# EAGLE board RedBoard-Panel (EAGLE 9.6.2), part 2 of 6
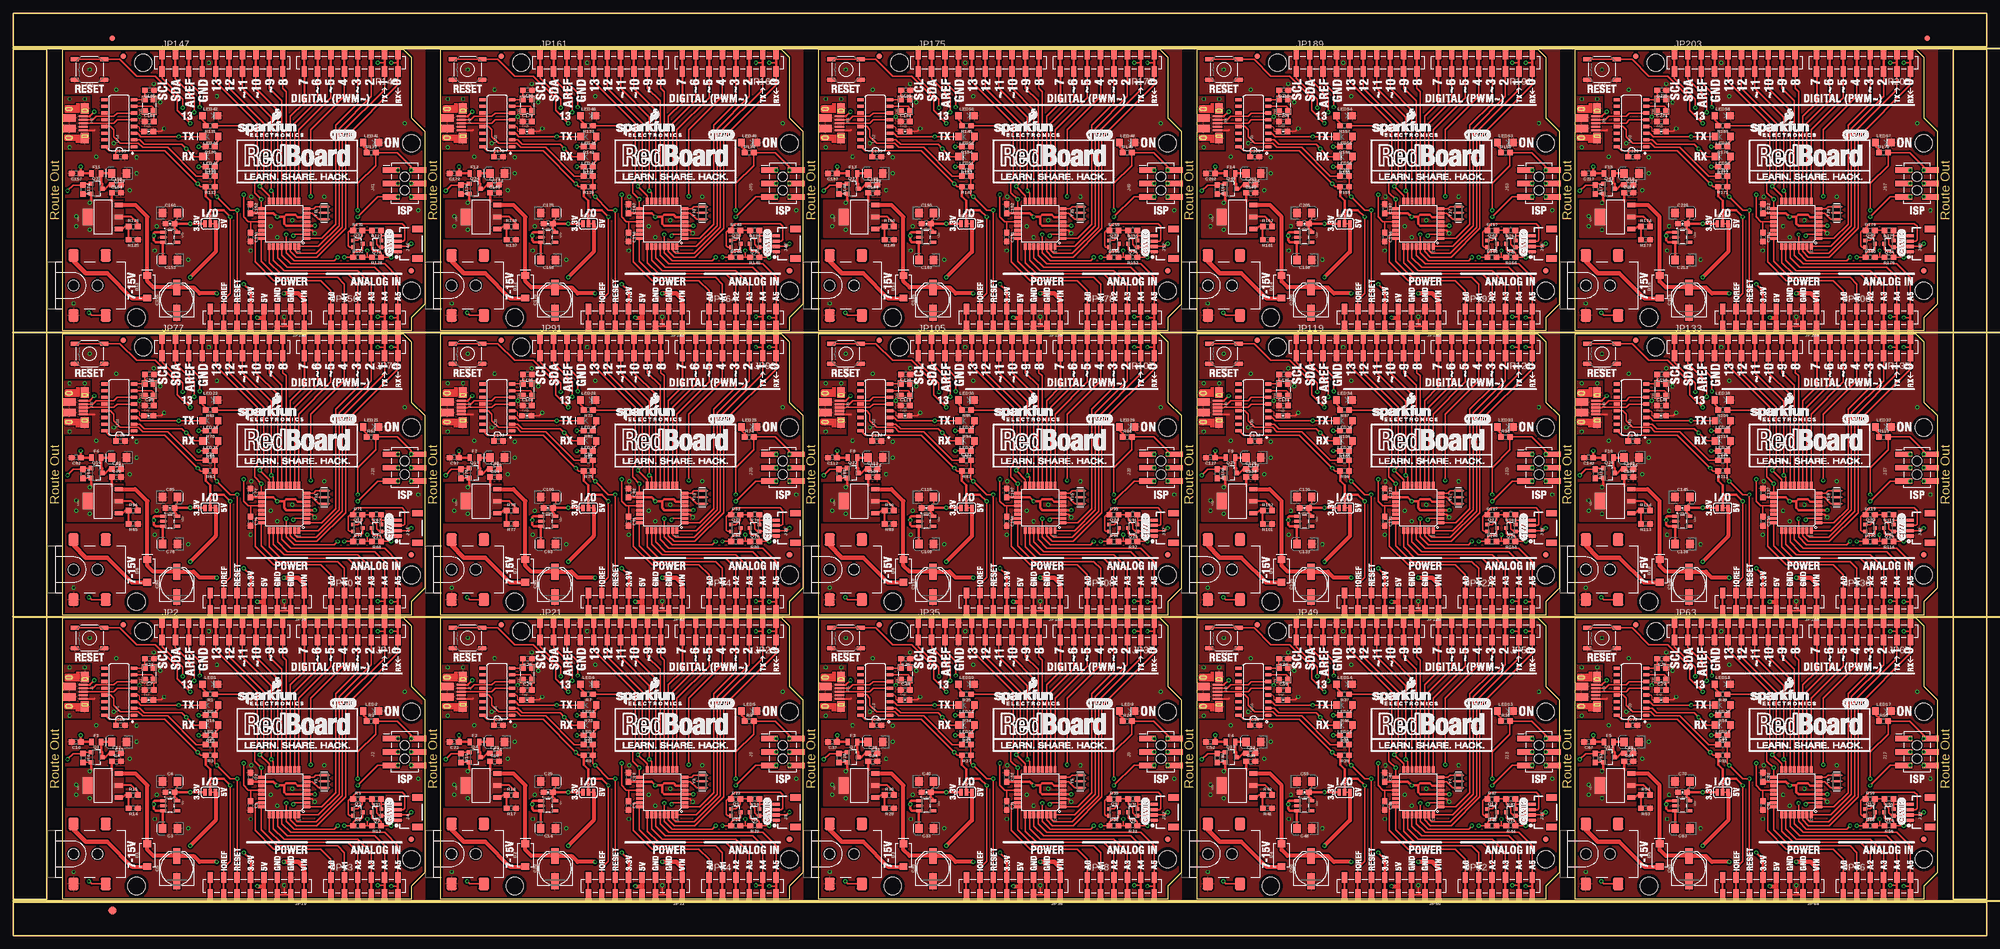
[diagram p0: board, top side]
## Placement (x,y rotation side) (continued)
R171  10k  [0603]  323.85,141.86 180 top
R172  10k  [0603]  299.72,141.35 270 top
R173  715  [0603]  309.25,131.83 180 top
R174  240  [0603]  309.25,134.37 0 top
R175  2.2k  [0603]  355.35,133.6 180 top
R176  2.2k  [0603]  355.35,128.52 180 top
R177  4.7k  [0603]  323.85,145.67 180 top
R178  4.7k  [0603]  323.85,149.48 180 top
R179  2.2k  [0603]  351.79,133.6 0 top
R180  2.2k  [0603]  351.79,128.52 0 top
S1  RESET  [TACTILE_SWITCH_SMD_5.2MM]  14.48,56.39 180 top
S2  RESET  [TACTILE_SWITCH_SMD_5.2MM]  86.11,56.39 180 top
S3  RESET  [TACTILE_SWITCH_SMD_5.2MM]  157.73,56.39 180 top
S4  RESET  [TACTILE_SWITCH_SMD_5.2MM]  229.36,56.39 180 top
S5  RESET  [TACTILE_SWITCH_SMD_5.2MM]  300.99,56.39 180 top
S6  RESET  [TACTILE_SWITCH_SMD_5.2MM]  14.48,110.24 180 top
S7  RESET  [TACTILE_SWITCH_SMD_5.2MM]  86.11,110.24 180 top
S8  RESET  [TACTILE_SWITCH_SMD_5.2MM]  157.73,110.24 180 top
S9  RESET  [TACTILE_SWITCH_SMD_5.2MM]  229.36,110.24 180 top
S10  RESET  [TACTILE_SWITCH_SMD_5.2MM]  300.99,110.24 180 top
S11  RESET  [TACTILE_SWITCH_SMD_5.2MM]  14.48,164.08 180 top
S12  RESET  [TACTILE_SWITCH_SMD_5.2MM]  86.11,164.08 180 top
S13  RESET  [TACTILE_SWITCH_SMD_5.2MM]  157.73,164.08 180 top
S14  RESET  [TACTILE_SWITCH_SMD_5.2MM]  229.36,164.08 180 top
S15  RESET  [TACTILE_SWITCH_SMD_5.2MM]  300.99,164.08 180 top
TP1  TP-3x5  [PAD.03X.05]  75.44,37.34 0 bottom
TP2  TP-3x5  [PAD.03X.05]  75.44,34.8 0 bottom
TP3  TP-3x5  [PAD.03X.05]  75.44,32.26 0 bottom
TP4  TP-3x5  [PAD.03X.05]  72.9,37.34 0 bottom
TP5  TP-3x5  [PAD.03X.05]  72.9,34.8 0 bottom
TP6  TP-3x5  [PAD.03X.05]  72.9,32.26 0 bottom
TP7  TP-3x5  [PAD.03X.05]  147.07,37.34 0 bottom
TP8  TP-3x5  [PAD.03X.05]  147.07,34.8 0 bottom
TP9  TP-3x5  [PAD.03X.05]  147.07,32.26 0 bottom
TP10  TP-3x5  [PAD.03X.05]  144.53,37.34 0 bottom
TP11  TP-3x5  [PAD.03X.05]  144.53,34.8 0 bottom
TP12  TP-3x5  [PAD.03X.05]  144.53,32.26 0 bottom
TP13  TP-3x5  [PAD.03X.05]  218.69,37.34 0 bottom
TP14  TP-3x5  [PAD.03X.05]  218.69,34.8 0 bottom
TP15  TP-3x5  [PAD.03X.05]  218.69,32.26 0 bottom
TP16  TP-3x5  [PAD.03X.05]  216.15,37.34 0 bottom
TP17  TP-3x5  [PAD.03X.05]  216.15,34.8 0 bottom
TP18  TP-3x5  [PAD.03X.05]  216.15,32.26 0 bottom
TP19  TP-3x5  [PAD.03X.05]  290.32,37.34 0 bottom
TP20  TP-3x5  [PAD.03X.05]  290.32,34.8 0 bottom
TP21  TP-3x5  [PAD.03X.05]  290.32,32.26 0 bottom
TP22  TP-3x5  [PAD.03X.05]  287.78,37.34 0 bottom
TP23  TP-3x5  [PAD.03X.05]  287.78,34.8 0 bottom
TP24  TP-3x5  [PAD.03X.05]  287.78,32.26 0 bottom
TP25  TP-3x5  [PAD.03X.05]  361.95,37.34 0 bottom
TP26  TP-3x5  [PAD.03X.05]  361.95,34.8 0 bottom
TP27  TP-3x5  [PAD.03X.05]  361.95,32.26 0 bottom
TP28  TP-3x5  [PAD.03X.05]  359.41,37.34 0 bottom
TP29  TP-3x5  [PAD.03X.05]  359.41,34.8 0 bottom
TP30  TP-3x5  [PAD.03X.05]  359.41,32.26 0 bottom
TP31  TP-3x5  [PAD.03X.05]  75.44,91.19 0 bottom
TP32  TP-3x5  [PAD.03X.05]  75.44,88.65 0 bottom
TP33  TP-3x5  [PAD.03X.05]  75.44,86.11 0 bottom
TP34  TP-3x5  [PAD.03X.05]  72.9,91.19 0 bottom
TP35  TP-3x5  [PAD.03X.05]  72.9,88.65 0 bottom
TP36  TP-3x5  [PAD.03X.05]  72.9,86.11 0 bottom
TP37  TP-3x5  [PAD.03X.05]  147.07,91.19 0 bottom
TP38  TP-3x5  [PAD.03X.05]  147.07,88.65 0 bottom
TP39  TP-3x5  [PAD.03X.05]  147.07,86.11 0 bottom
TP40  TP-3x5  [PAD.03X.05]  144.53,91.19 0 bottom
TP41  TP-3x5  [PAD.03X.05]  144.53,88.65 0 bottom
TP42  TP-3x5  [PAD.03X.05]  144.53,86.11 0 bottom
TP43  TP-3x5  [PAD.03X.05]  218.69,91.19 0 bottom
TP44  TP-3x5  [PAD.03X.05]  218.69,88.65 0 bottom
TP45  TP-3x5  [PAD.03X.05]  218.69,86.11 0 bottom
TP46  TP-3x5  [PAD.03X.05]  216.15,91.19 0 bottom
TP47  TP-3x5  [PAD.03X.05]  216.15,88.65 0 bottom
TP48  TP-3x5  [PAD.03X.05]  216.15,86.11 0 bottom
TP49  TP-3x5  [PAD.03X.05]  290.32,91.19 0 bottom
TP50  TP-3x5  [PAD.03X.05]  290.32,88.65 0 bottom
TP51  TP-3x5  [PAD.03X.05]  290.32,86.11 0 bottom
TP52  TP-3x5  [PAD.03X.05]  287.78,91.19 0 bottom
TP53  TP-3x5  [PAD.03X.05]  287.78,88.65 0 bottom
TP54  TP-3x5  [PAD.03X.05]  287.78,86.11 0 bottom
TP55  TP-3x5  [PAD.03X.05]  361.95,91.19 0 bottom
TP56  TP-3x5  [PAD.03X.05]  361.95,88.65 0 bottom
TP57  TP-3x5  [PAD.03X.05]  361.95,86.11 0 bottom
TP58  TP-3x5  [PAD.03X.05]  359.41,91.19 0 bottom
TP59  TP-3x5  [PAD.03X.05]  359.41,88.65 0 bottom
TP60  TP-3x5  [PAD.03X.05]  359.41,86.11 0 bottom
TP61  TP-3x5  [PAD.03X.05]  75.44,145.03 0 bottom
TP62  TP-3x5  [PAD.03X.05]  75.44,142.49 0 bottom
TP63  TP-3x5  [PAD.03X.05]  75.44,139.95 0 bottom
TP64  TP-3x5  [PAD.03X.05]  72.9,145.03 0 bottom
TP65  TP-3x5  [PAD.03X.05]  72.9,142.49 0 bottom
TP66  TP-3x5  [PAD.03X.05]  72.9,139.95 0 bottom
TP67  TP-3x5  [PAD.03X.05]  147.07,145.03 0 bottom
TP68  TP-3x5  [PAD.03X.05]  147.07,142.49 0 bottom
TP69  TP-3x5  [PAD.03X.05]  147.07,139.95 0 bottom
TP70  TP-3x5  [PAD.03X.05]  144.53,145.03 0 bottom
TP71  TP-3x5  [PAD.03X.05]  144.53,142.49 0 bottom
TP72  TP-3x5  [PAD.03X.05]  144.53,139.95 0 bottom
TP73  TP-3x5  [PAD.03X.05]  218.69,145.03 0 bottom
TP74  TP-3x5  [PAD.03X.05]  218.69,142.49 0 bottom
TP75  TP-3x5  [PAD.03X.05]  218.69,139.95 0 bottom
TP76  TP-3x5  [PAD.03X.05]  216.15,145.03 0 bottom
TP77  TP-3x5  [PAD.03X.05]  216.15,142.49 0 bottom
TP78  TP-3x5  [PAD.03X.05]  216.15,139.95 0 bottom
TP79  TP-3x5  [PAD.03X.05]  290.32,145.03 0 bottom
TP80  TP-3x5  [PAD.03X.05]  290.32,142.49 0 bottom
TP81  TP-3x5  [PAD.03X.05]  290.32,139.95 0 bottom
TP82  TP-3x5  [PAD.03X.05]  287.78,145.03 0 bottom
TP83  TP-3x5  [PAD.03X.05]  287.78,142.49 0 bottom
TP84  TP-3x5  [PAD.03X.05]  287.78,139.95 0 bottom
TP85  TP-3x5  [PAD.03X.05]  361.95,145.03 0 bottom
TP86  TP-3x5  [PAD.03X.05]  361.95,142.49 0 bottom
TP87  TP-3x5  [PAD.03X.05]  361.95,139.95 0 bottom
TP88  TP-3x5  [PAD.03X.05]  359.41,145.03 0 bottom
TP89  TP-3x5  [PAD.03X.05]  359.41,142.49 0 bottom
TP90  TP-3x5  [PAD.03X.05]  359.41,139.95 0 bottom
U1  CH340G  [SO016]  20.07,46.23 90 top
U2  LM1117  [SOT223-ALT1]  17.02,28.45 90 top
U3  AP2112-3.3V  [SOT23-5]  29.72,24.64 270 top
U4  ATMEGA328P  [TQFP32-08]  51.31,27.18 180 top
U5  LM1117  [SOT223-ALT1]  88.65,28.45 90 top
U6  ATMEGA328P  [TQFP32-08]  122.94,27.18 180 top
U7  AP2112-3.3V  [SOT23-5]  101.35,24.64 270 top
U8  CH340G  [SO016]  91.69,46.23 90 top
U9  LM1117  [SOT223-ALT1]  160.27,28.45 90 top
U10  ATMEGA328P  [TQFP32-08]  194.56,27.18 180 top
U11  AP2112-3.3V  [SOT23-5]  172.97,24.64 270 top
U12  CH340G  [SO016]  163.32,46.23 90 top
U13  LM1117  [SOT223-ALT1]  231.9,28.45 90 top
U14  ATMEGA328P  [TQFP32-08]  266.19,27.18 180 top
U15  AP2112-3.3V  [SOT23-5]  244.6,24.64 270 top
U16  CH340G  [SO016]  234.95,46.23 90 top
U17  LM1117  [SOT223-ALT1]  303.53,28.45 90 top
U18  ATMEGA328P  [TQFP32-08]  337.82,27.18 180 top
U19  AP2112-3.3V  [SOT23-5]  316.23,24.64 270 top
U20  CH340G  [SO016]  306.58,46.23 90 top
U21  LM1117  [SOT223-ALT1]  17.02,82.3 90 top
U22  ATMEGA328P  [TQFP32-08]  51.31,81.03 180 top
U23  AP2112-3.3V  [SOT23-5]  29.72,78.49 270 top
U24  CH340G  [SO016]  20.07,100.08 90 top
U25  LM1117  [SOT223-ALT1]  88.65,82.3 90 top
U26  ATMEGA328P  [TQFP32-08]  122.94,81.03 180 top
U27  AP2112-3.3V  [SOT23-5]  101.35,78.49 270 top
U28  CH340G  [SO016]  91.69,100.08 90 top
U29  LM1117  [SOT223-ALT1]  160.27,82.3 90 top
U30  ATMEGA328P  [TQFP32-08]  194.56,81.03 180 top
U31  AP2112-3.3V  [SOT23-5]  172.97,78.49 270 top
U32  CH340G  [SO016]  163.32,100.08 90 top
U33  LM1117  [SOT223-ALT1]  231.9,82.3 90 top
U34  ATMEGA328P  [TQFP32-08]  266.19,81.03 180 top
U35  AP2112-3.3V  [SOT23-5]  244.6,78.49 270 top
U36  CH340G  [SO016]  234.95,100.08 90 top
U37  LM1117  [SOT223-ALT1]  303.53,82.3 90 top
U38  ATMEGA328P  [TQFP32-08]  337.82,81.03 180 top
U39  AP2112-3.3V  [SOT23-5]  316.23,78.49 270 top
U40  CH340G  [SO016]  306.58,100.08 90 top
U41  LM1117  [SOT223-ALT1]  17.02,136.14 90 top
U42  ATMEGA328P  [TQFP32-08]  51.31,134.87 180 top
U43  AP2112-3.3V  [SOT23-5]  29.72,132.33 270 top
U44  CH340G  [SO016]  20.07,153.92 90 top
U45  LM1117  [SOT223-ALT1]  88.65,136.14 90 top
U46  ATMEGA328P  [TQFP32-08]  122.94,134.87 180 top
U47  AP2112-3.3V  [SOT23-5]  101.35,132.33 270 top
U48  CH340G  [SO016]  91.69,153.92 90 top
U49  LM1117  [SOT223-ALT1]  160.27,136.14 90 top
U50  ATMEGA328P  [TQFP32-08]  194.56,134.87 180 top
U51  AP2112-3.3V  [SOT23-5]  172.97,132.33 270 top
U52  CH340G  [SO016]  163.32,153.92 90 top
U53  LM1117  [SOT223-ALT1]  231.9,136.14 90 top
U54  ATMEGA328P  [TQFP32-08]  266.19,134.87 180 top
U55  AP2112-3.3V  [SOT23-5]  244.6,132.33 270 top
U56  CH340G  [SO016]  234.95,153.92 90 top
U57  LM1117  [SOT223-ALT1]  303.53,136.14 90 top
U58  ATMEGA328P  [TQFP32-08]  337.82,134.87 180 top
U59  AP2112-3.3V  [SOT23-5]  316.23,132.33 270 top
U60  CH340G  [SO016]  306.58,153.92 90 top
U$1  OSHW-LOGOS  [OSHW-LOGO-S]  83.57,58.17 0 bottom
U$2  [J120]  141.73,18.16 90 bottom
U$3  [J140]  132.84,18.03 90 bottom
U$4  [J120]  70.1,18.16 90 bottom
U$5  OSHW-LOGOS  [OSHW-LOGO-S]  155.19,58.17 0 bottom
U$6  [J120]  213.36,18.16 90 bottom
U$7  [J140]  204.47,18.03 90 bottom
U$8  OSHW-LOGOS  [OSHW-LOGO-S]  226.82,58.17 0 bottom
U$9  [J140]  61.21,18.03 90 bottom
U$10  [J120]  284.99,18.16 90 bottom
U$11  [J140]  276.1,18.03 90 bottom
U$12  OSHW-LOGOS  [OSHW-LOGO-S]  298.45,58.17 0 bottom
U$13  [J120]  356.62,18.16 90 bottom
U$14  [J140]  347.73,18.03 90 bottom
U$15  OSHW-LOGOS  [OSHW-LOGO-S]  11.94,112.01 0 bottom
U$16  OSHW-LOGOS  [OSHW-LOGO-S]  11.94,58.17 0 bottom
U$17  [J120]  70.1,72.01 90 bottom
U$18  [J140]  61.21,71.88 90 bottom
U$19  OSHW-LOGOS  [OSHW-LOGO-S]  83.57,112.01 0 bottom
U$20  [J120]  141.73,72.01 90 bottom
U$21  [J140]  132.84,71.88 90 bottom
U$22  OSHW-LOGOS  [OSHW-LOGO-S]  155.19,112.01 0 bottom
U$23  [J120]  213.36,72.01 90 bottom
U$24  [J140]  204.47,71.88 90 bottom
U$25  OSHW-LOGOS  [OSHW-LOGO-S]  226.82,112.01 0 bottom
U$26  [J120]  284.99,72.01 90 bottom
U$27  [J140]  276.1,71.88 90 bottom
U$28  OSHW-LOGOS  [OSHW-LOGO-S]  298.45,112.01 0 bottom
U$29  [J120]  356.62,72.01 90 bottom
U$30  [J140]  347.73,71.88 90 bottom
U$31  OSHW-LOGOS  [OSHW-LOGO-S]  11.94,165.86 0 bottom
U$32  [J120]  70.1,125.86 90 bottom
U$33  [J140]  61.21,125.73 90 bottom
U$34  OSHW-LOGOS  [OSHW-LOGO-S]  83.57,165.86 0 bottom
U$35  [J120]  141.73,125.86 90 bottom
U$36  [J140]  132.84,125.73 90 bottom
U$37  OSHW-LOGOS  [OSHW-LOGO-S]  155.19,165.86 0 bottom
U$38  [J120]  213.36,125.86 90 bottom
U$39  [J140]  204.47,125.73 90 bottom
U$40  OSHW-LOGOS  [OSHW-LOGO-S]  226.82,165.86 0 bottom
U$41  [J120]  284.99,125.86 90 bottom
U$42  [J140]  276.1,125.73 90 bottom
U$43  OSHW-LOGOS  [OSHW-LOGO-S]  298.45,165.86 0 bottom
U$44  [J120]  356.62,125.86 90 bottom
U$45  [J140]  347.73,125.73 90 bottom
Y1  16MHz  [RESONATOR-SMD-3.2X1.3]  58.93,29.21 90 top
Y2  12MHz  [CRYSTAL-SMD-3.2X2.5]  25.78,49.61 90 top
Y3  16MHz  [RESONATOR-SMD-3.2X1.3]  130.56,29.21 90 top
Y4  12MHz  [CRYSTAL-SMD-3.2X2.5]  97.41,49.61 90 top
Y5  16MHz  [RESONATOR-SMD-3.2X1.3]  202.18,29.21 90 top
Y6  12MHz  [CRYSTAL-SMD-3.2X2.5]  169.04,49.61 90 top
Y7  16MHz  [RESONATOR-SMD-3.2X1.3]  273.81,29.21 90 top
Y8  12MHz  [CRYSTAL-SMD-3.2X2.5]  240.66,49.61 90 top
Y9  16MHz  [RESONATOR-SMD-3.2X1.3]  345.44,29.21 90 top
Y10  12MHz  [CRYSTAL-SMD-3.2X2.5]  312.29,49.61 90 top
Y11  16MHz  [RESONATOR-SMD-3.2X1.3]  58.93,83.06 90 top
Y12  12MHz  [CRYSTAL-SMD-3.2X2.5]  25.78,103.45 90 top
Y13  16MHz  [RESONATOR-SMD-3.2X1.3]  130.56,83.06 90 top
Y14  12MHz  [CRYSTAL-SMD-3.2X2.5]  97.41,103.45 90 top
Y15  16MHz  [RESONATOR-SMD-3.2X1.3]  202.18,83.06 90 top
Y16  12MHz  [CRYSTAL-SMD-3.2X2.5]  169.04,103.45 90 top
Y17  16MHz  [RESONATOR-SMD-3.2X1.3]  273.81,83.06 90 top
Y18  12MHz  [CRYSTAL-SMD-3.2X2.5]  240.66,103.45 90 top
Y19  16MHz  [RESONATOR-SMD-3.2X1.3]  345.44,83.06 90 top
Y20  12MHz  [CRYSTAL-SMD-3.2X2.5]  312.29,103.45 90 top
Y21  16MHz  [RESONATOR-SMD-3.2X1.3]  58.93,136.91 90 top
Y22  12MHz  [CRYSTAL-SMD-3.2X2.5]  25.78,157.3 90 top
Y23  16MHz  [RESONATOR-SMD-3.2X1.3]  130.56,136.91 90 top
Y24  12MHz  [CRYSTAL-SMD-3.2X2.5]  97.41,157.3 90 top
Y25  16MHz  [RESONATOR-SMD-3.2X1.3]  202.18,136.91 90 top
Y26  12MHz  [CRYSTAL-SMD-3.2X2.5]  169.04,157.3 90 top
Y27  16MHz  [RESONATOR-SMD-3.2X1.3]  273.81,136.91 90 top
Y28  12MHz  [CRYSTAL-SMD-3.2X2.5]  240.66,157.3 90 top
Y29  16MHz  [RESONATOR-SMD-3.2X1.3]  345.44,136.91 90 top
Y30  12MHz  [CRYSTAL-SMD-3.2X2.5]  312.29,157.3 90 top

## Library data of the parts
C1 C2 C4 C8-C10 C12 C13 C18 C19 C21-C23 C28 C31 C32 C34 C36-C38 C43 C46 C47 C49 C51-C53 C58 C61 C62 C64 C66-C68 C73 C76 C77 C79 C81-C83 C88 C91 C92 C94 C96-C98 C103 C106 C107 C109 C111-C113 C118 C121 C122 C124 C126-C128 C133 C136 C137 C139 C141-C143 C148 C151 C152 C154 C156-C158 C163 C166 C167 C169 C171-C173 C178 C181 C182 C184 C186-C188 C193 C196 C197 C199 C201-C203 C208 C211 C212 C214 C216-C218 C223 = SparkFun-Capacitors; PROD_ID: CAP-00810
C3 C6 C14 C15 C24 C25 C33 C39 C40 C48 C54 C55 C63 C69 C70 C78 C84 C85 C93 C99 C100 C108 C114 C115 C123 C129 C130 C138 C144 C145 C153 C159 C160 C168 C174 C175 C183 C189 C190 C198 C204 C205 C213 C219 C220 = SparkFun-Capacitors; PROD_ID: CAP-00811
C5 C20 C35 C50 C65 C80 C95 C110 C125 C140 C155 C170 C185 C200 C215 = SparkFun-Capacitors; PROD_ID: CAP-08478
C7 C11 C29 C30 C44 C45 C59 C60 C74 C75 C89 C90 C104 C105 C119 C120 C134 C135 C149 C150 C164 C165 C179 C180 C194 C195 C209 C210 C224 C225 = SparkFun-Capacitors; PROD_ID: CAP-11812
C16 C26 C41 C56 C71 C86 C101 C116 C131 C146 C161 C176 C191 C206 C221 = SparkFun-Capacitors; PROD_ID: CAP-00868
C17 C27 C42 C57 C72 C87 C102 C117 C132 C147 C162 C177 C192 C207 C222 = SparkFun-Capacitors; PROD_ID: CAP-00867
D1-D15 = SparkFun-DiscreteSemi; PROD_ID: DIO-08053
E$1-E$4 FRAME1-FRAME15 LOGO1-LOGO75 U$1 U$5 U$8 U$12 U$15 U$16 U$19 U$22 U$25 U$28 U$31 U$34 U$37 U$40 U$43 = SparkFun-Aesthetics
E$5 E$6 = SparkFun-Retired
F1-F15 = SparkFun-Fuses
I/O I/O1-I/O14 JP12 JP14 JP25 JP26 JP39 JP40 JP53 JP54 JP67 JP68 JP81 JP82 JP95 JP96 JP109 JP110 JP123 JP124 JP137 JP138 JP151 JP152 JP165 JP166 JP179 JP180 JP193 JP194 JP207 JP208 = SparkFun-Jumpers
J1 J7 J11 J15 J19 J23 J27 J31 J35 J39 J43 J47 J51 J55 J59 = SparkFun-Connectors; PROD_ID: CONN-13711
J2 J5 J9 J13 J17 J21 J25 J29 J33 J37 J41 J45 J49 J53 J57 = SparkFun-Connectors; PROD_ID: CONN-11415
J3 J6 J10 J14 J18 J22 J26 J30 J34 J38 J42 J46 J50 J54 J58 = Testing; PROD_ID: CONN-08106
J4 J8 J12 J16 J20 J24 J28 J32 J36 J40 J44 J48 J52 J56 J60 = SparkFun-Connectors; PROD_ID: CONN-13694
JP1 JP3-JP9 JP15-JP20 JP27-JP34 JP41-JP48 JP55-JP62 JP69-JP76 JP83-JP90 JP97-JP104 JP111-JP118 JP125-JP132 JP139-JP146 JP153-JP160 JP167-JP174 JP181-JP188 JP195-JP202 JP209 JP210 = SparkFun
JP2 JP21 JP35 JP49 JP63 JP77 JP91 JP105 JP119 JP133 JP147 JP161 JP175 JP189 JP203 = SparkFun-Connectors; PROD_ID: CONN-11219
JP10 JP22 JP36 JP50 JP64 JP78 JP92 JP106 JP120 JP134 JP148 JP162 JP176 JP190 JP204 = SparkFun-Connectors; PROD_ID: CONN-10204; SF_ID: PRT-11543
JP11 JP23 JP37 JP51 JP65 JP79 JP93 JP107 JP121 JP135 JP149 JP163 JP177 JP191 JP205 = SparkFun-Connectors; PROD_ID: CONN-10204
JP13 JP24 JP38 JP52 JP66 JP80 JP94 JP108 JP122 JP136 JP150 JP164 JP178 JP192 JP206 = SparkFun-Connectors; PROD_ID: CONN-10203
LED1 LED6 LED10 LED14 LED18 LED22 LED26 LED30 LED34 LED38 LED42 LED46 LED50 LED54 LED58 = SparkFun-LED; PROD_ID: DIO-09911
LED2 LED4 LED5 LED8 LED9 LED12 LED13 LED16 LED17 LED20 LED21 LED24 LED25 LED28 LED29 LED32 LED33 LED36 LED37 LED40 LED41 LED44 LED45 LED48 LED49 LED52 LED53 LED56 LED57 LED60 = SparkFun-LED; PROD_ID: DIO-09910
LED3 LED7 LED11 LED15 LED19 LED23 LED27 LED31 LED35 LED39 LED43 LED47 LED51 LED55 LED59 = SparkFun-LED; PROD_ID: DIO-09909
Q1 Q4 Q7 Q10 Q13 Q16 Q19 Q22 Q25 Q28 Q31 Q34 Q37 Q40 Q43 = SparkFun-DiscreteSemi; PROD_ID: TRANS-08285
Q2 Q3 Q5 Q6 Q8 Q9 Q11 Q12 Q14 Q15 Q17 Q18 Q20 Q21 Q23 Q24 Q26 Q27 Q29 Q30 Q32 Q33 Q35 Q36 Q38 Q39 Q41 Q42 Q44 Q45 = SparkFun-DiscreteSemi; PROD_ID: TRANS-11151
R1 R7 R12 R16 R21 R22 R25 R33 R34 R37 R45 R46 R49 R57 R58 R61 R69 R70 R73 R81 R82 R85 R93 R94 R97 R105 R106 R109 R117 R118 R121 R129 R130 R133 R141 R142 R145 R153 R154 R157 R165 R166 R169 R177 R178 = SparkFun-Resistors; PROD_ID: RES-07857
R2-R4 R8-R10 R26-R28 R38-R40 R50-R52 R62-R64 R74-R76 R86-R88 R98-R100 R110-R112 R122-R124 R134-R136 R146-R148 R158-R160 R170-R172 = SparkFun-Resistors; PROD_ID: RES-00824
R5 R6 R11 R13 R19 R20 R23 R24 R31 R32 R35 R36 R43 R44 R47 R48 R55 R56 R59 R60 R67 R68 R71 R72 R79 R80 R83 R84 R91 R92 R95 R96 R103 R104 R107 R108 R115 R116 R119 R120 R127 R128 R131 R132 R139 R140 R143 R144 R151 R152 R155 R156 R163 R164 R167 R168 R175 R176 R179 R180 = SparkFun-Resistors; PROD_ID: RES-08272
R14 R17 R29 R41 R53 R65 R77 R89 R101 R113 R125 R137 R149 R161 R173 = SparkFun-Resistors; PROD_ID: RES-07850
R15 R18 R30 R42 R54 R66 R78 R90 R102 R114 R126 R138 R150 R162 R174 = SparkFun-Resistors; PROD_ID: RES-07849
S1-S15 = SparkFun-Switches; PROD_ID: SWCH-14139
TP1-TP4 TP6-TP10 TP12-TP16 TP18-TP22 TP24-TP28 TP30-TP34 TP36-TP40 TP42-TP46 TP48-TP52 TP54-TP58 TP60-TP64 TP66-TP70 TP72-TP76 TP78-TP82 TP84-TP88 TP90 = SparkFun-Connectors
TP5 TP11 TP17 TP23 TP29 TP35 TP41 TP47 TP53 TP59 TP65 TP71 TP77 TP83 TP89 = SparkFun-Passives
U1 U8 U12 U16 U20 U24 U28 U32 U36 U40 U44 U48 U52 U56 U60 = SparkFun-IC-Comms; PROD_ID: IC-13498
U2 U5 U9 U13 U17 U21 U25 U29 U33 U37 U41 U45 U49 U53 U57 = Testing; PROD_ID: VREG-08170
U3 U7 U11 U15 U19 U23 U27 U31 U35 U39 U43 U47 U51 U55 U59 = SparkFun-PowerIC; PROD_ID: VREG-12457
U4 U6 U10 U14 U18 U22 U26 U30 U34 U38 U42 U46 U50 U54 U58 = SparkFun-IC-Microcontroller; PROD_ID: IC-09069
U$2 U$4 U$6 U$10 U$13 U$17 U$20 U$23 U$26 U$29 U$32 U$35 U$38 U$41 U$44 = buzzard_labels_J12
U$3 U$7 U$9 U$11 U$14 U$18 U$21 U$24 U$27 U$30 U$33 U$36 U$39 U$42 U$45 = buzzard_labels_J14
Y1 Y3 Y5 Y7 Y9 Y11 Y13 Y15 Y17 Y19 Y21 Y23 Y25 Y27 Y29 = SparkFun-Clocks; PROD_ID: XTAL-08900
Y2 Y4 Y6 Y8 Y10 Y12 Y14 Y16 Y18 Y20 Y22 Y24 Y26 Y28 Y30 = USB Basic; PROD_ID: XTAL-13518

## Nets
3.3V: C6.+ C16.1 I/O.1 J4.2 JP10.5 Q2.1 Q3.1 R5.2 R11.2 U3.5
3.3V1: C25.+ C26.1 I/O1.1 J8.2 JP22.5 Q5.1 Q6.1 R19.2 R23.2 U7.5
3.3V2: C40.+ C41.1 I/O2.1 J12.2 JP36.5 Q8.1 Q9.1 R31.2 R35.2 U11.5
3.3V3: C55.+ C56.1 I/O3.1 J16.2 JP50.5 Q11.1 Q12.1 R43.2 R47.2 U15.5
3.3V4: C70.+ C71.1 I/O4.1 J20.2 JP64.5 Q14.1 Q15.1 R55.2 R59.2 U19.5
3.3V5: C85.+ C86.1 I/O5.1 J24.2 JP78.5 Q17.1 Q18.1 R67.2 R71.2 U23.5
3.3V6: C100.+ C101.1 I/O6.1 J28.2 JP92.5 Q20.1 Q21.1 R79.2 R83.2 U27.5
3.3V7: C115.+ C116.1 I/O7.1 J32.2 JP106.5 Q23.1 Q24.1 R91.2 R95.2 U31.5
3.3V8: C130.+ C131.1 I/O8.1 J36.2 JP120.5 Q26.1 Q27.1 R103.2 R107.2 U35.5
3.3V9: C145.+ C146.1 I/O9.1 J40.2 JP134.5 Q29.1 Q30.1 R115.2 R119.2 U39.5
3.3V10: C160.+ C161.1 I/O10.1 J44.2 JP148.5 Q32.1 Q33.1 R127.2 R131.2 U43.5
3.3V11: C175.+ C176.1 I/O11.1 J48.2 JP162.5 Q35.1 Q36.1 R139.2 R143.2 U47.5
3.3V12: C190.+ C191.1 I/O12.1 J52.2 JP176.5 Q38.1 Q39.1 R151.2 R155.2 U51.5
3.3V13: C205.+ C206.1 I/O13.1 J56.2 JP190.5 Q41.1 Q42.1 R163.2 R167.2 U55.5
3.3V14: C220.+ C221.1 I/O14.1 J60.2 JP204.5 Q44.1 Q45.1 R175.2 R179.2 U59.5
5V: C3.+ C4.1 I/O.3 JP10.4 Q1.2 R4.2 R15.2 U2.2 U2.4 U3.1 U3.3
5V1: C14.+ C19.1 I/O1.3 JP22.4 Q4.2 R10.2 R18.2 U5.2 U5.4 U7.1 U7.3
5V2: C33.+ C34.1 I/O2.3 JP36.4 Q7.2 R28.2 R30.2 U9.2 U9.4 U11.1 U11.3
5V3: C48.+ C49.1 I/O3.3 JP50.4 Q10.2 R40.2 R42.2 U13.2 U13.4 U15.1 U15.3
5V4: C63.+ C64.1 I/O4.3 JP64.4 Q13.2 R52.2 R54.2 U17.2 U17.4 U19.1 U19.3
5V5: C78.+ C79.1 I/O5.3 JP78.4 Q16.2 R64.2 R66.2 U21.2 U21.4 U23.1 U23.3
5V6: C93.+ C94.1 I/O6.3 JP92.4 Q19.2 R76.2 R78.2 U25.2 U25.4 U27.1 U27.3
5V7: C108.+ C109.1 I/O7.3 JP106.4 Q22.2 R88.2 R90.2 U29.2 U29.4 U31.1 U31.3
5V8: C123.+ C124.1 I/O8.3 JP120.4 Q25.2 R100.2 R102.2 U33.2 U33.4 U35.1 U35.3
5V9: C138.+ C139.1 I/O9.3 JP134.4 Q28.2 R112.2 R114.2 U37.2 U37.4 U39.1 U39.3
5V10: C153.+ C154.1 I/O10.3 JP148.4 Q31.2 R124.2 R126.2 U41.2 U41.4 U43.1 U43.3
5V11: C168.+ C169.1 I/O11.3 JP162.4 Q34.2 R136.2 R138.2 U45.2 U45.4 U47.1 U47.3
5V12: C183.+ C184.1 I/O12.3 JP176.4 Q37.2 R148.2 R150.2 U49.2 U49.4 U51.1 U51.3
5V13: C198.+ C199.1 I/O13.3 JP190.4 Q40.2 R160.2 R162.2 U53.2 U53.4 U55.1 U55.3
5V14: C213.+ C214.1 I/O14.3 JP204.4 Q43.2 R172.2 R174.2 U57.2 U57.4 U59.1 U59.3
!DTR: C8.1 U1.13
!DTR1: C21.1 U8.13
!DTR2: C36.1 U12.13
!DTR3: C51.1 U16.13
!DTR4: C66.1 U20.13
!DTR5: C81.1 U24.13
!DTR6: C96.1 U28.13
!DTR7: C111.1 U32.13
!DTR8: C126.1 U36.13
!DTR9: C141.1 U40.13
!DTR10: C156.1 U44.13
!DTR11: C171.1 U48.13
!DTR12: C186.1 U52.13
!DTR13: C201.1 U56.13
!DTR14: C216.1 U60.13
AD0: JP13.1A JP13.1B U4.23
AD1: JP13.2A JP13.2B U4.24
AD2: JP13.3A JP13.3B U4.25
AD3: JP13.4A JP13.4B U4.26
AD4: JP24.1A JP24.1B U6.23
AD4/SDA: JP2.2A JP2.2B JP13.5A JP13.5B JP14.2 U4.27
AD4/SDA1: JP21.2A JP21.2B JP24.5A JP24.5B JP26.2 U6.27
AD4/SDA2: JP35.2A JP35.2B JP38.5A JP38.5B JP40.2 U10.27
AD4/SDA3: JP49.2A JP49.2B JP52.5A JP52.5B JP54.2 U14.27
AD4/SDA4: JP63.2A JP63.2B JP66.5A JP66.5B JP68.2 U18.27
AD4/SDA5: JP77.2A JP77.2B JP80.5A JP80.5B JP82.2 U22.27
AD4/SDA6: JP91.2A JP91.2B JP94.5A JP94.5B JP96.2 U26.27
AD4/SDA7: JP105.2A JP105.2B JP108.5A JP108.5B JP110.2 U30.27
AD4/SDA8: JP119.2A JP119.2B JP122.5A JP122.5B JP124.2 U34.27
AD4/SDA9: JP133.2A JP133.2B JP136.5A JP136.5B JP138.2 U38.27
AD4/SDA10: JP147.2A JP147.2B JP150.5A JP150.5B JP152.2 U42.27
AD4/SDA11: JP161.2A JP161.2B JP164.5A JP164.5B JP166.2 U46.27
AD4/SDA12: JP175.2A JP175.2B JP178.5A JP178.5B JP180.2 U50.27
AD4/SDA13: JP189.2A JP189.2B JP192.5A JP192.5B JP194.2 U54.27
AD4/SDA14: JP203.2A JP203.2B JP206.5A JP206.5B JP208.2 U58.27
AD5: JP24.2A JP24.2B U6.24
AD5/SCL: JP2.1A JP2.1B JP12.2 JP13.6A JP13.6B U4.28
AD5/SCL1: JP21.1A JP21.1B JP24.6A JP24.6B JP25.2 U6.28
AD5/SCL2: JP35.1A JP35.1B JP38.6A JP38.6B JP39.2 U10.28
AD5/SCL3: JP49.1A JP49.1B JP52.6A JP52.6B JP53.2 U14.28
AD5/SCL4: JP63.1A JP63.1B JP66.6A JP66.6B JP67.2 U18.28
AD5/SCL5: JP77.1A JP77.1B JP80.6A JP80.6B JP81.2 U22.28
AD5/SCL6: JP91.1A JP91.1B JP94.6A JP94.6B JP95.2 U26.28
AD5/SCL7: JP105.1A JP105.1B JP108.6A JP108.6B JP109.2 U30.28
AD5/SCL8: JP119.1A JP119.1B JP122.6A JP122.6B JP123.2 U34.28
AD5/SCL9: JP133.1A JP133.1B JP136.6A JP136.6B JP137.2 U38.28
AD5/SCL10: JP147.1A JP147.1B JP150.6A JP150.6B JP151.2 U42.28
AD5/SCL11: JP161.1A JP161.1B JP164.6A JP164.6B JP165.2 U46.28
AD5/SCL12: JP175.1A JP175.1B JP178.6A JP178.6B JP179.2 U50.28
AD5/SCL13: JP189.1A JP189.1B JP192.6A JP192.6B JP193.2 U54.28
AD5/SCL14: JP203.1A JP203.1B JP206.6A JP206.6B JP207.2 U58.28
AD6: JP24.3A JP24.3B U6.25
AD7: JP24.4A JP24.4B U6.26
AD8: JP38.1A JP38.1B U10.23
AD9: JP38.2A JP38.2B U10.24
AD10: JP38.3A JP38.3B U10.25
AD11: JP38.4A JP38.4B U10.26
AD12: JP52.1A JP52.1B U14.23
AD13: JP52.2A JP52.2B U14.24
AD14: JP52.3A JP52.3B U14.25
AD15: JP52.4A JP52.4B U14.26
AD16: JP66.1A JP66.1B U18.23
AD17: JP66.2A JP66.2B U18.24
AD18: JP66.3A JP66.3B U18.25
AD19: JP66.4A JP66.4B U18.26
AD20: JP80.1A JP80.1B U22.23
AD21: JP80.2A JP80.2B U22.24
AD22: JP80.3A JP80.3B U22.25
AD23: JP80.4A JP80.4B U22.26
AD24: JP94.1A JP94.1B U26.23
AD25: JP94.2A JP94.2B U26.24
AD26: JP94.3A JP94.3B U26.25
AD27: JP94.4A JP94.4B U26.26
AD28: JP108.1A JP108.1B U30.23
AD29: JP108.2A JP108.2B U30.24
AD30: JP108.3A JP108.3B U30.25
AD31: JP108.4A JP108.4B U30.26
AD32: JP122.1A JP122.1B U34.23
AD33: JP122.2A JP122.2B U34.24
AD34: JP122.3A JP122.3B U34.25
AD35: JP122.4A JP122.4B U34.26
AD36: JP136.1A JP136.1B U38.23
AD37: JP136.2A JP136.2B U38.24
AD38: JP136.3A JP136.3B U38.25
AD39: JP136.4A JP136.4B U38.26
AD40: JP150.1A JP150.1B U42.23
AD41: JP150.2A JP150.2B U42.24
AD42: JP150.3A JP150.3B U42.25
AD43: JP150.4A JP150.4B U42.26
AD44: JP164.1A JP164.1B U46.23
AD45: JP164.2A JP164.2B U46.24
AD46: JP164.3A JP164.3B U46.25
AD47: JP164.4A JP164.4B U46.26
AD48: JP178.1A JP178.1B U50.23
AD49: JP178.2A JP178.2B U50.24
AD50: JP178.3A JP178.3B U50.25
AD51: JP178.4A JP178.4B U50.26
AD52: JP192.1A JP192.1B U54.23
AD53: JP192.2A JP192.2B U54.24
AD54: JP192.3A JP192.3B U54.25
AD55: JP192.4A JP192.4B U54.26
AD56: JP206.1A JP206.1B U58.23
AD57: JP206.2A JP206.2B U58.24
AD58: JP206.3A JP206.3B U58.25
AD59: JP206.4A JP206.4B U58.26
AREF: C1.1 JP2.3A JP2.3B U4.20
AREF1: C9.1 JP21.3A JP21.3B U6.20
AREF2: C31.1 JP35.3A JP35.3B U10.20
AREF3: C46.1 JP49.3A JP49.3B U14.20
AREF4: C61.1 JP63.3A JP63.3B U18.20
AREF5: C76.1 JP77.3A JP77.3B U22.20
AREF6: C91.1 JP91.3A JP91.3B U26.20
AREF7: C106.1 JP105.3A JP105.3B U30.20
AREF8: C121.1 JP119.3A JP119.3B U34.20
AREF9: C136.1 JP133.3A JP133.3B U38.20
AREF10: C151.1 JP147.3A JP147.3B U42.20
AREF11: C166.1 JP161.3A JP161.3B U46.20
AREF12: C181.1 JP175.3A JP175.3B U50.20
AREF13: C196.1 JP189.3A JP189.3B U54.20
AREF14: C211.1 JP203.3A JP203.3B U58.20
GND: C1.2 C2.1 C3.- C4.2 C5.- C6.- C7.1 C10.2 C11.1 C12.2 C15.- C16.2 C17.2 C18.2 J1.GND J2.6 J3.GND J4.1 JP2.4A JP2.4B JP10.2 JP10.3 LED1.C LED2.C R14.1 S1.1 S1.2 TP3.P$1 U1.1 U3.2 U4.3 U4.5 U4.21 Y1.2 Y2.2 Y2.4
GND1: C9.2 C13.1 C14.- C19.2 C20.- C22.2 C23.2 C24.- C25.- C26.2 C27.2 C28.2 C29.1 C30.1 J5.6 J6.GND J7.GND J8.1 JP21.4A JP21.4B JP22.2 JP22.3 LED5.C LED6.C R17.1 S2.1 S2.2 TP9.P$1 U6.3 U6.5 U6.21 U7.2 U8.1 Y3.2 Y4.2 Y4.4